# KiCad board sun3_60.kicad_pcb (continued)
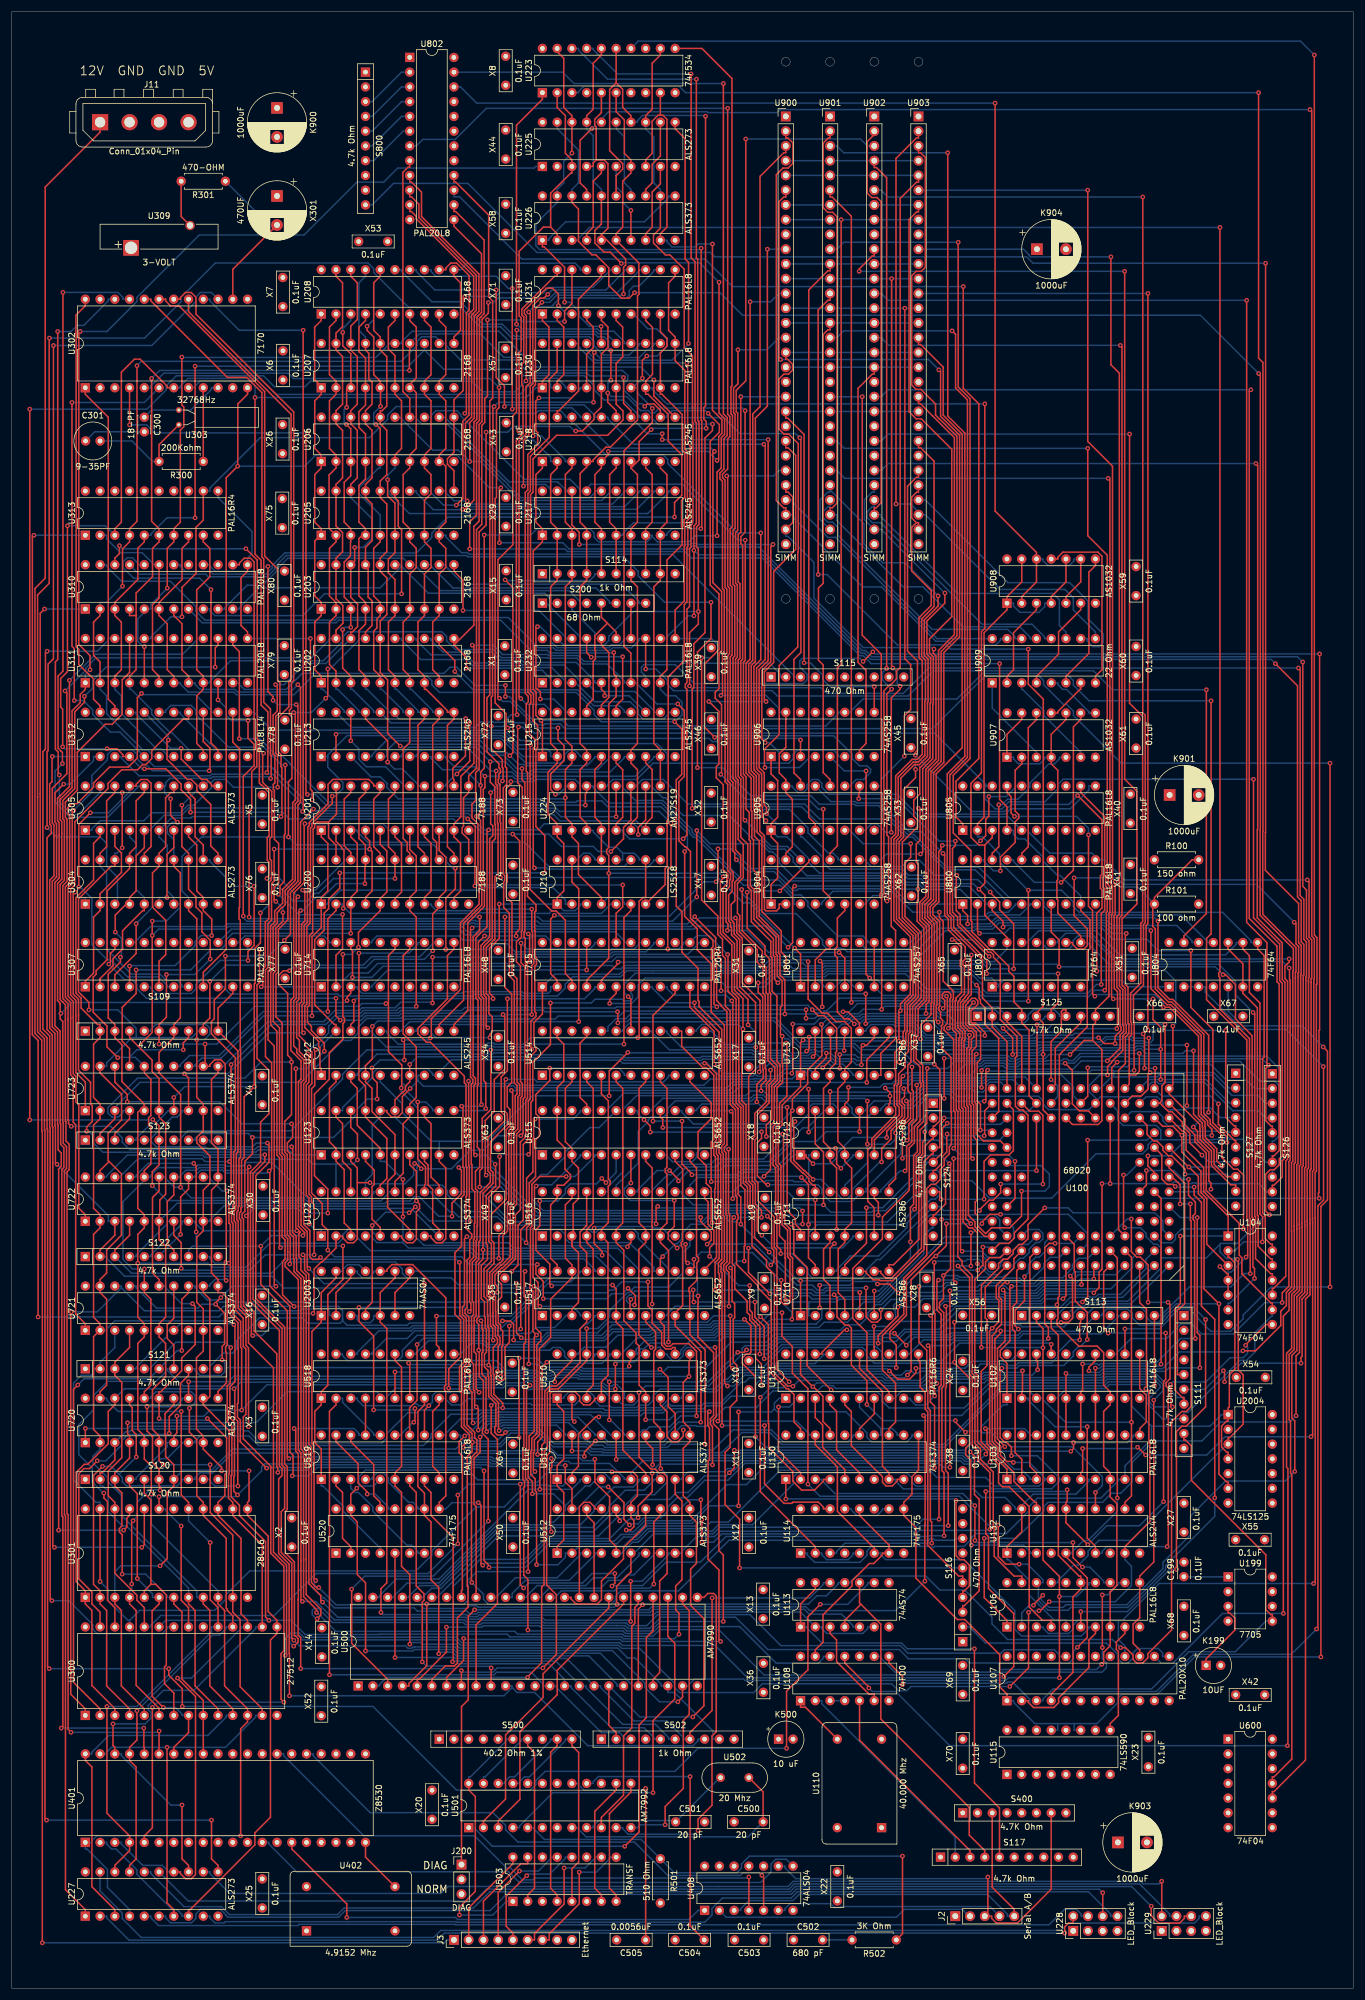
[diagram p0: board, top side]
## Nets (continued)
/sun3_60_mmu_diag/SA21: U200.16 U202.5 U203.5 U205.5 U206.5 U207.5 U208.5 U213.14
/sun3_60_mmu_diag/SA22: U200.15 U202.6 U203.6 U205.6 U206.6 U207.6 U208.6 U213.13
/sun3_60_mmu_diag/SA23: U200.14 U202.7 U203.7 U205.7 U206.7 U207.7 U208.7 U213.12
/sun3_60_mmu_diag/SA24: U200.13 U202.8 U203.8 U205.8 U206.8 U207.8 U208.8 U213.11
/sun3_60_mmu_diag/TYPE0X: S200.3 U215.16 U232.16
/sun3_60_mmu_diag/TYPE1X: S200.1 U215.15 U232.17
/sun3_60_mmu_diag/WE.PMAP0-: U202.11 U231.13 U232.2
/sun3_60_mmu_diag/WE.PMAP2-: U205.11 U206.11 U231.15
/sun3_60_mmu_diag/WE.PMAP3-: U207.11 U208.11 U231.17
/sun3_60_mmu_diag/WE.SMAP-: U200.12 U201.12 U231.18
/sun3_60_mmu_diag/WE.STAT-: U203.11 U232.18
/sun3_60_mmu_diag/WR.CX-: U210.9 U230.19
/sun3_60_mmu_diag/WR.DIAG-: U227.11 U230.13
/sun3_60_mmu_diag/WR.SYSEN-: U225.11 U230.17
/TEST0-: S116.2 U107.13
/TEST1-: S116.3 U102.11 U103.11
/TEST2-: S116.4 U130.1
/TEST3-: S116.5 U131.11
/TEST4-: S116.6 U310.13 U311.13 U313.11 U715.14
/TEST6-: S116.8 U714.11
/V.INT-: U307.10 U805.12
/WDOG-: U107.14 U223.3
/WRITE-: U104.6 U122.1 U230.7 U231.7 U232.7 U311.9 U312.9 U313.9 U710.3 U711.3 U712.3 U713.3 U800.7
/XACK-: U130.15 U131.7 U518.7 U715.7
Net-(C300-Pad2): C300.2 C301.1
Net-(C301-Pad2): C301.2 R300.2 U303.1
Net-(C502-Pad2): C502.2 R502.2
Net-(J2-Pin_2): J2.2 U408.2
Net-(J2-Pin_3): J2.3 S400.7 U408.9
Net-(J2-Pin_4): J2.4 U408.6
Net-(J2-Pin_5): J2.5 S400.3 U408.3
Net-(U108-Pad3): U108.3 U108.4
Net-(U110-OUT): U108.1 U110.8
Net-(U199-CT): K199.1 U199.3
Net-(U199-REF): C199.1 U199.1
Net-(U225-Q1): U225.5 U226.4
Net-(U225-Q2): U225.6 U226.7
Net-(U225-Q4): U225.12 U226.13
Net-(U225-Q5): U225.15 U226.14
Net-(U302-OIN): C300.1 U302.10 U303.2
Net-(U302-OOUT): R300.1 U302.9
Net-(U302-VBAK): R301.1 U302.14 X301.2
Net-(U309--): R301.2 U309.2
Net-(U401-PCLK): U401.20 U402.8
Net-(U401-RXDA): U401.13 U408.8
Net-(U401-RXDB): U401.27 U408.4
Net-(U401-TXDA): U401.15 U408.1
Net-(U401-TXDB): U401.25 U408.5
Net-(U501-PF): C505.1 U501.17
Net-(U501-RF): C504.1 U501.16
Net-(U501-TSEL): R501.1 R502.1 U501.5
Net-(U501-X1): C500.2 U501.8 U502.2
Net-(U501-X2): C501.1 U501.9 U502.1
Net-(U803-D1): U108.11 U803.9

Pads without a net: J200 3; S111 2 3 4 10; S113 7 9; S114 10; S115 4 5 6 7 8 9 10; S116 7 9 10; S117 6 7 8 9 10; S120 10; S121 10; S122 10; S123 10; S124 10; S125 10; S126 10; S127 10; S400 1 2 5 6; S500 2 3 4 5 8; S502 4; S800 8 9; U100 14 29 42 54 65 77 78 81 120 141 169; U102 15 16; U103 12 13 19; U106 16; U107 17 18 19 21 22 23; U110 1; U113 8; U114 11 15; U115 1 2 3 4 5 6 7 15; U199 6; U210 14; U225 2; U307 16 17 18 19 20; U311 19; U312 11; U313 13 14 16 17; U401 6 10 11 14 16 17 23 24 26 29 30; U402 1; U408 10 11 12 13; U500 12 13; U503 3 6 11 14; U518 16; U520 3 6 11 14; U600 1 2 3 4 5 6 8 9 12 13; U714 16; U715 15 22; U805 13 14 15 19; U900 19; U901 19; U902 19; U903 19; U906 12; U2004 8 9 10 11 12 13

## Via types
v1: diameter 0.8, hole 0.4, Top to Bottom, 1292 vias

## Routing (per net, layer and track width the routed paths; a pad name or vN(x,y) marks a point on that pad's centre or on a via; arc(x,y) is an arc through that point)
+12V: length 389.8
  Top w0.25: v1(5.29,7.85) 5.29,147.54 5.2,147.63 5.2,163.25 4.02,164.43 4.02,241.04 5.79,242.81 5.79,310.15 15.24,319.6 J11.1
  Bottom w0.25: J3.1 75.02,8.35 74.52,7.85 v1(5.29,7.85)
/AS: length 235.8
  Top w0.25: U104.2 209.56,125.87 209.78,125.87 210.72,124.93 210.72,106.64 209.77,105.68 209.77,100.13 209.56,99.92 U2004.1 209.56,97.67 209.28,97.67 208.43,96.82 208.43,93.2 209.33,92.3 209.56,92.3 U2004.4 ; U804.9 212.1,178.95 213.23,177.82 213.23,171.47 215.04,169.66 215.04,133.35 215.5,132.89 215.5,128.57 v1(215.46,128.53)
  Bottom w0.25: 196.38,96.8 196.38,94.55 191.78,89.96 U103.9 190.66,87.64 190.66,87.43 187.63,84.41 176.72,84.41 175.28,82.96 175.28,82.24 171.35,78.31 166.08,78.31 165.16,77.39 165.16,77.18 164.07,76.1 158.98,76.1 158.81,75.93 158.2,75.93 158.03,76.1 148.13,76.1 147.35,75.32 147.35,74.57 146.14,73.36 138.33,73.36 137.03,74.66 137.03,74.94 U114.1 ; 196.38,96.8 206.44,96.8 208.43,98.8 U2004.1 ; 196.38,96.8 192.91,100.27 192.91,101.6 U102.9 ; 174,180.08 175.13,180.08 175.13,180.3 176.94,182.11 186.73,182.11 190.89,177.95 209.13,177.95 210.97,179.79 210.97,180.08 U804.9 ; U104.2 210.69,127 212.22,128.53 v1(215.46,128.53)
/AS-: length 147.4
  Top w0.25: U100.131 201.64,147.62 201.89,147.62 202.31,147.2 202.31,144.35 205.34,141.32 205.34,138.64 205.34,138.64 205.34,137.2 209.56,132.98 U104.1 ; S111.7 201.94,101.73 201.67,101.73 200.37,103.03 200.37,116.97 201.33,117.93 v1(201.33,129.54) ; U131.19 135.91,108.09 135.91,108.09 135.91,105.7 v1(138.01,103.59) 138.11,103.59 139.77,101.93 139.77,97.6 140.99,96.39 U130.17
  Bottom w0.25: v1(138.01,103.59) 138.65,104.23 149.64,104.23 150.1,103.77 152.26,103.77 152.28,103.79 157.16,103.79 158.28,104.9 167.57,104.9 167.84,105.16 187.74,105.16 188.36,105.78 197.18,105.78 198.89,104.07 198.89,103.7 200.86,101.73 201.94,101.73 S111.7 ; U104.1 v1(201.33,129.54)
/BERR-: length 255.1
  Top w0.25: v1(169.97,79.78) 169.97,74.34 171.26,73.04 v1(173.57,73.04) ; v1(207.26,84.47) 207.26,115.2 204.97,117.49 204.97,135.34 203.71,136.6 v1(203.71,137.96) ; v1(200.46,138.08) 200.11,138.43 199.07,138.43 198.13,139.37 198.13,143.51 U100.106 ; v1(137.18,86.82) 137.18,103.27 134.49,105.95 134.49,110.52 132.7,112.3 v1(132.7,116.34)
  Bottom w0.25: 177.11,69.86 176.88,69.64 176.88,66.77 178.55,65.1 181.95,65.1 182.44,65.6 192.29,65.6 198.79,72.09 198.79,72.81 207.26,81.28 v1(207.26,84.47) ; 177.11,69.86 U106.18 ; 177.11,69.86 177.67,69.86 177.67,70.35 174.98,73.04 v1(173.57,73.04) ; v1(169.97,79.78) 168.25,79.78 163.3,84.73 139.26,84.73 v1(137.18,86.82) ; v1(200.46,138.08) 200.58,137.96 v1(203.71,137.96) ; v1(132.7,116.34) 130.74,116.34 128.42,114.01 121.27,114.01 120.62,113.36 110.24,113.36 109.94,113.06 103.65,113.06 102.12,111.53 92.79,111.53 91.67,110.41 81.82,110.41 81.19,111.05 79.15,111.05 77.33,109.22 U518.11
/C.S3: length 224.8
  Top w0.25: v1(125.76,189.21) 125.88,189.1 125.88,182.06 129.32,178.62 129.32,176.45 129.96,175.82 129.96,171.45 130.28,171.13 130.28,159.76 131.46,158.58 131.46,156.58 130.48,155.6 130.48,152.46 128.46,150.44 128.46,147.19 128.47,147.19 128.47,146.51 128.02,146.06 128.02,139.24 128.57,138.69 128.57,135.63 131.38,132.83 131.38,127.65 131.77,127.26 131.77,125.11 131.84,125.04 131.84,106.55 v1(133.94,104.44) ; U114.2 138.44,76.07 128.97,85.54 v1(128.97,101.77)
  Bottom w0.25: v1(128.97,101.77) 129.01,101.77 130.64,103.4 132.9,103.4 v1(133.94,104.44) ; U804.12 203.35,180.08 203.35,180.36 200.7,183.01 189.52,183.01 188.61,183.92 169.8,183.92 168.71,182.83 165.81,182.83 165.54,182.55 159.79,182.55 155.73,178.49 143.92,178.49 143.47,178.94 143,178.94 142.84,179.1 141.97,179.1 141.81,178.94 140.52,178.94 139.72,179.75 139.72,180.47 135.12,185.06 129.62,185.06 126.88,187.81 126.54,187.81 125.76,188.58 v1(125.76,189.21) ; U114.5 144.94,74.94 144.94,74.66 144.09,73.81 140.42,73.81 139.57,74.66 139.57,74.94 U114.2
/C.S3-: length 500
  Top w0.25: U906.1 130.82,209.11 131.96,207.98 131.96,201.66 130.82,200.53 U905.1 130.82,198.27 131.95,197.15 131.95,191.19 130.82,190.06 U904.1 ; v1(167.64,272.82) 167.64,234.18 167.06,233.6 167.06,209.29 165.26,207.49 165.26,198.21 166.6,196.86 167.65,196.86 ; v1(165.55,142.87) 165.27,143.15 165.27,151.94 164.99,152.22 164.99,153.35 164.99,161.62 165.33,161.97 165.33,163.41 165.74,163.82 165.74,164.42 165.32,164.85 164.86,164.85 163.9,165.81 163.9,169.48 164.29,169.87 164.29,169.99 164.74,170.44 164.74,170.56 165.32,171.13 v1(165.32,177.92) ; v1(156.3,120.85) 156.3,111.22 157.65,109.87 157.65,103.02 157.82,102.85 157.82,99.92 158.27,99.47 158.27,80.5 158.5,80.28 158.5,76.66 v1(158.5,76.66) ; 167.65,196.86 168.93,198.14 U805.3 ; 167.65,196.86 167.64,196.85 167.64,190.27 v1(166.62,189.26) 167.64,188.24 167.64,184.79 171.47,180.96 U803.13 ; U231.8 109.22,287.17 110.4,286 110.4,277.9 109.22,276.73 U230.8 109.22,274.47 109.64,274.47 113.11,271.01 113.11,266.39 115.45,264.05 115.45,257.09 114.2,255.83 v1(114.2,253.33) ; v1(162.26,142.87) 162.26,121.8 v1(162.56,121.51)
  Bottom w0.25: U310.18 29.07,245.12 29.07,244.84 29.95,243.96 34.25,243.96 34.7,243.51 43.86,243.51 44.89,244.54 44.89,244.98 47.06,247.16 69.73,247.16 72.39,249.82 72.39,250.57 75.15,253.33 v1(114.2,253.33) ; v1(162.56,121.51) 160.9,121.51 160.25,120.85 v1(156.3,120.85) ; v1(165.55,142.87) v1(162.26,142.87) ; U905.1 131.95,198.28 133.54,198.28 137.31,194.5 137.31,193.86 139.14,192.04 153.45,192.04 154.43,191.06 156.64,191.06 157.49,190.21 165.67,190.21 v1(166.62,189.26) ; v1(165.32,177.92) 167.14,177.92 168.25,176.8 169.32,176.8 171.47,178.95 U803.13 ; v1(167.64,272.82) 112.84,272.82 110.35,275.32 110.35,275.6 U230.8 ; v1(158.5,76.66) 143.55,76.66 142.11,75.22 142.11,74.94 U114.3
/C.S5: length 33.9
  Top w0.25: U114.12 146.06,81.43 151.15,76.35 U114.7 150.02,74.94 150.02,74.66 148.51,73.15 147.75,73.15 144.8,70.19 144.8,69.33 139.78,64.31 139.78,59.62 138.44,58.29 U108.13
/CAS-: length 282.1
  Top w0.25: U715.6 104.14,171.33 103.02,170.21 v1(103.02,169.58) ; U804.8 214.64,178.95 215.77,177.82 215.77,160.36 215.77,160.35 215.5,160.07 215.5,133.53 215.95,133.08 215.95,129.08 216.9,128.13 217.18,128.13 U104.13 ; U908.10 181.62,242.16 179.09,239.62 U908.4 ; v1(175.15,189.09) v1(175.15,169.98) ; U908.13 174,242.16 171.47,239.62 U908.1 171.47,237.37 167.51,233.42 167.51,201.65 166.38,200.53 U805.2
  Bottom w0.25: v1(175.15,169.98) 167.87,169.98 166.28,171.57 157.11,171.57 153.99,174.69 140.64,174.69 140.14,174.18 131.41,174.18 129.64,172.42 123.17,172.42 121.62,173.96 109.12,173.96 107.95,172.8 107.95,170.74 106.79,169.58 v1(103.02,169.58) ; U805.2 166.38,198.27 166.56,198.27 166.6,198.32 167.21,198.32 170.19,195.33 170.19,193.98 175.09,189.09 v1(175.15,189.09) 180.86,189.09 182.9,187.06 182.9,186.31 183.92,185.28 208.59,185.28 213.51,180.36 213.51,180.08 U804.8 ; U908.4 177.96,238.5 177.96,237.9 176.99,236.93 173.69,236.93 172.59,238.02 172.59,238.5 U908.1
/CDIS-: length 39.4
  Top w0.25: U100.92 199.41,141.28 202.07,138.61 202.07,117.91 201.14,116.97 201.01,116.97 200.82,116.78 200.82,105.69 S111.5
/CLK: length 312.5
  Top w0.25: U2003.8 68.58,122.34 66.04,119.8 U2003.6 ; v1(88.93,61.7) 88.93,70.43 88.22,71.15 88.22,86.26 88.36,86.4 88.36,87.34 88.08,87.62 88.08,92.99 88.24,93.16 88.24,110.92 88.54,111.22 88.54,118.9 88.29,119.15 88.29,123.29 v1(88.47,123.47) ; v1(86.16,123.47) 87.24,124.54 87.24,131.4 88.14,132.3 88.14,145.31 88.9,146.07 88.9,146.66 89.01,146.78 89.01,152.77 89.32,153.08 89.32,160.44 90.32,161.44 90.32,162.05 89.97,162.4 89.97,166.31 91.44,167.78 U715.1
  Bottom w0.25: v1(88.47,123.47) v1(86.16,123.47) U2003.8 ; v1(88.93,61.7) 89.09,61.55 105.32,61.55 105.77,61.09 110.31,61.09 111.52,62.3 125.41,62.3 131.71,56 138.98,56 139.86,56.88 139.86,57.16 U108.12 ; 170.05,172.74 170.91,173.6 191.22,173.6 192.37,172.46 U804.1 ; 170.05,172.74 168.81,173.97 166.76,173.97 164.91,175.82 164.29,175.82 163.61,176.5 153.67,176.5 153.67,176.5 139.9,176.5 139.47,176.07 137.52,176.07 137.51,176.06 136.79,176.06 136.28,176.57 130.93,176.57 130.04,175.68 127.96,175.68 127.96,175.68 105.76,175.68 104.71,174.63 93.61,174.63 U715.1 ; 170.05,172.74 170.05,172.46 U803.1
/CLK-: length 633.1
  Top w0.25: 156.22,95.26 156.22,89.23 155.1,88.11 155.1,85.1 153.69,83.69 U114.9 153.69,81.43 155.77,79.35 155.77,70.65 162.91,63.51 164.17,63.51 170.21,57.47 170.21,51.92 171.47,50.67 U107.1 ; v1(3.85,250.2) 3.57,249.92 3.57,164.2 4.56,163.2 v1(4.56,115.61) ; v1(80.39,83.63) 80.86,83.16 80.86,73.16 v1(81.17,72.86) ; v1(225.94,162.09) 226.67,161.37 226.67,135.76 225.54,134.64 v1(225.54,57.07) ; U2003.2 55.88,119.8 58.42,122.34 U2003.12 ; U520.9 73.66,83.69 74.79,84.81 74.79,102.82 74.57,103.03 74.57,103.64 74.79,103.85 74.79,118.91 69.07,124.63 65.51,124.63 64.63,123.75 64.63,123.47 U2003.10 ; v1(125.23,83.08) v1(125.23,99.26)
  Bottom w0.25: U2003.12 59.55,123.47 59.55,123.18 60.39,122.34 61.53,122.34 62.37,123.18 62.37,123.47 U2003.10 ; U804.5 209.56,168.27 212.11,165.72 222.31,165.72 v1(225.94,162.09) ; 180.21,45.59 176.26,45.59 172.59,49.26 172.59,49.54 U107.1 ; 180.21,45.59 180.21,44.46 U115.13 ; 180.21,45.59 183.04,45.59 ; U313.1 v1(3.85,250.2) ; v1(81.17,72.86) 81.53,73.22 88.38,73.22 92.16,77 103.82,77 104.99,78.17 107.36,78.17 109.26,80.07 117.2,80.07 120.21,83.08 v1(125.23,83.08) ; U115.11 183.04,44.46 183.04,45.59 ; U520.9 74.79,82.56 75.85,83.63 v1(80.39,83.63) ; 183.04,45.59 186.95,45.59 190.52,49.15 190.52,49.88 191.3,50.67 197.4,50.67 203.8,57.07 v1(225.54,57.07) ; 131.39,99.76 131.39,100.75 132.24,101.6 U131.1 ; 131.39,99.76 130.89,99.26 v1(125.23,99.26) ; 131.39,99.76 131.86,99.29 143.7,99.29 147.34,95.66 147.34,94.93 148.17,94.1 154.22,94.1 155.1,94.98 155.1,95.26 156.22,95.26 ; v1(4.56,115.61) 35.73,115.61 36.79,116.68 48.37,116.68 48.38,116.68 49.82,116.68 50.11,116.97 54.33,116.97 54.75,116.55 54.75,115.84 U2003.2
/CX0: length 104.6
  Top w0.25: U201.1 53.34,198.27 54.47,197.15 54.47,188.95 53.34,187.83 U200.1 53.34,182.66 51.75,181.07 v1(51.75,167.45)
  Bottom w0.25: U723.13 31.61,158.76 31.61,159.04 32.73,160.17 36.1,160.17 43.38,167.45 v1(51.75,167.45) ; U210.2 95.39,186.7 95.39,187.4 93.26,189.53 80.8,189.53 80.36,189.09 56.67,189.09 54.47,186.89 54.47,186.7 U200.1
/CX1: length 114.3
  Top w0.25: U200.2 55.88,185.57 54.47,184.17 v1(54.47,168.2) ; v1(57.13,185.96) 57.26,186.09 57.26,195.93 56.84,196.34 56.84,196.54 55.88,197.5 U201.2
  Bottom w0.25: U210.5 103.01,186.7 103.01,186.49 101.61,185.09 94.22,185.09 93.8,185.5 93.01,185.5 92.6,185.09 85.37,185.09 85.27,185.19 80.32,185.19 80.22,185.09 58.34,185.09 57.3,186.13 ; v1(54.47,168.2) 43.36,168.2 35.78,160.62 30.65,160.62 29.07,159.04 29.07,158.76 U723.14 ; U200.2 57.01,186.7 57.01,186.42 57.3,186.13 ; 57.3,186.13 v1(57.13,185.96)
/CX2: length 128.3
  Top w0.25: v1(58.42,181.66) U200.3 58.42,187.83 59.55,188.95 59.55,197.15 58.42,198.27 U201.3 ; U723.17 20.32,161.81 19.05,163.08 19.05,168.91 21.45,171.31 v1(21.45,175.36)
  Bottom w0.25: v1(58.42,181.66) 38.06,181.66 36.83,180.42 36.83,179.67 36.05,178.89 34.37,178.89 30.84,175.36 v1(21.45,175.36) ; U210.11 105.54,193.18 92.53,193.18 88.36,197.34 61.34,197.34 59.55,199.14 59.55,199.4 U201.3
/DDIS-: length 41
  Bottom w0.25: S113.8 190.66,115.84 190.66,115.66 187.69,112.69 174.26,112.69 173.56,112 162.33,112 161.99,111.67 161.01,111.67 161.01,111.66 157.07,111.66 154.62,109.22 U131.12
/DIAG-: length 522.8
  Top w0.25: v1(79.76,65.18) 78.67,64.09 78.67,49.68 77.5,48.52 J200.1 ; v1(213.38,123.08) 213.38,132.46 213.24,132.6 213.24,147.13 213.24,147.13 213.24,163.53 208.15,168.63 208.15,174.05 207.95,174.25 207.95,174.85 208.15,175.04 v1(208.15,303.2) ; S113.10 v1(196.87,103.78) ; v1(157.33,70.12) 157.3,70.15 157.3,79.84 157.37,79.9 157.37,98.37 v1(157.09,98.65)
  Bottom w0.25: v1(157.33,70.12) 152.25,65.05 137.46,65.05 136.81,65.71 110.29,65.71 109.76,65.18 v1(79.76,65.18) ; S113.10 197.99,115.84 197.99,115.87 202.91,120.79 210.03,120.79 212.31,123.08 v1(213.38,123.08) ; v1(208.15,303.2) 99.56,303.2 97.65,301.28 97.65,301 U226.3 ; v1(157.09,98.65) 163.67,98.65 168.77,103.75 188.24,103.75 188.92,104.43 196.22,104.43 v1(196.87,103.78)
/DIS.RAS-: length 140.9
  Top w0.25: v1(220.07,175.68) 220.14,175.61 220.14,173.73 220.25,173.62 220.25,142.58 220.02,142.36 220.02,120.91 218.87,119.76 v1(218.87,118.08)
  Bottom w0.25: v1(218.87,118.08) 215.88,118.08 210.47,112.68 204.99,112.68 203.24,114.43 201.48,114.43 198.94,111.9 192.84,111.9 190.37,109.42 190.37,109.22 U102.13 ; v1(220.07,175.68) 218.95,176.8 190.17,176.8 185.77,181.2 183.65,181.2 182.9,180.45 182.9,179.7 182.13,178.93 178.53,178.93 177.67,179.79 177.67,180.08 U803.11
/DISACC-: length 254.5
  Top w0.25: v1(205.81,223.59) 205.81,185.08 201.94,181.2 U804.13 ; U232.13 v1(109.22,227.16)
  Bottom w0.25: U232.13 108.09,232.42 108.09,232.14 106.8,230.84 103.53,230.84 103.08,230.39 93.77,230.39 93.32,230.84 90.74,230.84 85.55,236.03 56.15,236.03 55.7,235.58 33.3,235.58 31.75,237.13 31.75,237.88 27.36,242.27 18.93,242.27 16.37,244.84 16.37,245.12 U310.23 ; v1(109.22,227.16) 110.99,227.16 112.95,225.21 112.95,224.52 114.02,223.45 130.99,223.45 131.92,222.52 154.43,222.52 158.76,226.86 186.37,226.86 189.63,223.59 v1(205.81,223.59)
/DMA: length 283.3
  Top w0.25: v1(19.92,152.65) 19.92,153.92 17.78,156.06 U723.18 ; v1(52.52,64.7) 52.52,65.22 50.3,67.44 50.3,73.76 50.29,73.77 50.29,91.97 50.29,91.97 50.29,92.43 49.84,92.88 49.84,122.22 48.65,123.41 48.65,125.54 48.57,125.62 48.57,129.34 47.95,129.96 47.95,143.75 47.5,144.2 47.5,145.59 48.41,146.5 48.41,148.69 v1(48.23,148.87) ; v1(187.89,58.68) v1(187.89,67.75)
  Bottom w0.25: v1(187.89,67.75) 188.83,67.75 190.66,69.58 190.66,69.86 U106.12 ; v1(48.23,148.87) 39.66,148.87 35.88,152.65 v1(19.92,152.65) ; v1(187.89,58.68) 187.89,56.76 188.59,56.06 188.59,55.22 187.83,54.45 170.64,54.45 170.15,53.97 129.62,53.97 121.81,61.77 111.63,61.77 110.5,60.64 105.58,60.64 105.25,60.98 87.17,60.98 86.68,61.47 55.85,61.47 52.61,64.7 v1(52.52,64.7)
/DS-: length 413.2
  Top w0.25: v1(79.9,143.5) 79.63,143.77 79.63,155.46 79.9,155.73 79.9,156.71 79.51,157.11 79.51,181.04 80.62,182.15 v1(80.62,184.47) ; U104.9 217.18,117.97 216.99,117.97 211.92,123.04 211.92,125.79 211.47,126.24 211.47,131.71 205.79,137.39 205.79,138.83 205.79,138.83 205.79,143.83 203.83,145.78 203.83,146.97 202.13,148.68 202.13,149.68 U100.144 ; v1(85.08,95.74) 84.63,95.3 83.67,95.3 83.24,95.72 83.24,96.68 83.42,96.85 83.42,100.67 82.17,101.91 82.17,105.31 82.07,105.42 82.07,106.39 81.45,107.01 81.45,109.2 81.79,109.54 81.79,113.48 81.58,113.69 81.58,115.53 81.45,115.67 81.45,118.22 80.91,118.77 80.91,124.45 81.97,125.52 81.97,127.98 81.75,128.21 81.75,136.52 83.37,138.14 83.37,141.83 v1(83.3,141.9) ; v1(40.91,184.47) 40.91,202.74 41.36,203.19 41.36,209.5 42.23,210.37 42.23,214.62 41.78,215.07 41.78,245.61 41.14,246.25 40.07,246.25 39.23,245.4 39.23,245.12 U310.14
  Bottom w0.25: U519.11 77.33,95.26 77.33,94.83 77.75,94.4 78.36,94.4 78.48,94.52 78.86,94.52 79.11,94.76 79.71,94.76 79.95,94.52 80.08,94.52 80.4,94.2 83.54,94.2 v1(85.08,95.74) 85.36,95.74 85.69,96.07 90.47,96.07 93.28,93.26 98.98,93.26 99.82,92.41 101.65,92.41 101.82,92.24 122.32,92.24 125.78,95.71 130.62,95.71 132.68,93.65 160.53,93.65 170.18,103.3 188.43,103.3 189.11,103.97 195.74,103.97 196.13,103.58 196.13,102.97 195.54,102.37 195.54,100.77 198.25,98.06 S111.8 201.94,99.19 202.65,99.19 211.6,108.14 212.74,108.14 214.15,109.55 214.15,112.86 217,115.71 217.18,115.71 U104.9 ; v1(79.9,143.5) 81.7,143.5 v1(83.3,141.9) ; v1(40.91,184.47) 41.19,184.19 78.62,184.19 78.9,184.47 v1(80.62,184.47)
/DSACK0-: length 625.9
  Top w0.25: U313.12 33.02,252.82 31.75,251.55 31.75,243.63 29.35,241.23 v1(29.35,236.15) ; v1(100.24,273.11) 100.24,281.52 v1(100.39,281.67) ; v1(216.68,133.19) 216,133.87 216,140.15 216.83,140.97 217.51,140.97 218.37,141.83 218.37,142.85 218.89,143.37 218.89,173.05 218.44,173.51 218.44,179.83 213.93,184.34 v1(213.93,208.18) ; v1(82.52,205.89) 82.52,200.54 82.89,200.16 82.89,198.49 82.34,197.94 82.34,181.05 80.86,179.57 80.86,170.89 81.31,170.44 81.31,156.3 81.68,155.93 v1(81.68,151.48) ; v1(84.56,207.9) 84.66,208 84.66,210.11 84.51,210.25 84.51,211.56 82.63,213.44 v1(82.63,217.33) 82.63,222.33 82.84,222.54 82.84,267.4 82.91,267.47 82.91,272.15 v1(83.13,272.36) ; v1(191.74,130.97) 191.55,131.16 v1(191.55,140.05) ; U2004.3 209.56,94.84 209.84,94.84 212.15,97.15 212.15,105.63 211.32,106.47 211.32,125.37 v1(211.17,125.52)
  Bottom w0.25: U805.18 167.82,207.02 ; 167.82,207.02 167.61,206.81 167.61,204.9 169.43,203.08 170.59,203.08 171.82,204.31 177.99,204.31 180.35,206.68 180.35,207.41 181.13,208.18 v1(213.93,208.18) ; 167.82,207.02 167.8,207.02 167.8,207.3 158.97,216.13 90.01,216.13 88.23,217.91 85.3,217.91 84.67,217.28 82.69,217.28 v1(82.63,217.33) ; v1(81.68,151.48) 81.35,151.14 U123.11 ; U106.17 180.21,69.86 180.21,70.14 182.91,72.84 183.74,72.84 185.44,74.54 185.44,75.28 187.3,77.15 192.83,77.15 209,93.32 209,93.72 U2004.3 ; v1(211.17,125.52) 211.02,125.67 209.3,125.67 208.15,126.82 208.15,128.11 ; U230.12 110.63,283.22 110.63,282.94 109.74,282.04 109.37,282.04 108.11,280.78 101.27,280.78 v1(100.39,281.67) ; 198.04,127.43 198.04,125.86 198.11,125.78 205.81,125.78 208.15,128.11 ; 198.04,127.43 198.04,124.09 192.28,118.33 187.32,118.33 187.1,118.12 185.43,118.12 185.2,117.88 184.77,117.46 183.24,117.46 S113.4 ; 198.04,127.43 197.34,128.13 196.74,128.13 195.41,129.45 195.41,130.01 194.46,130.97 v1(191.74,130.97) ; v1(191.55,140.05) 192.14,140.05 U100.94 ; 208.15,128.11 208.3,128.27 211.15,128.27 216.07,133.19 v1(216.68,133.19) ; v1(29.35,236.15) 27.44,236.15 23.99,232.7 23.99,232.42 U311.20 ; v1(84.56,207.9) 82.55,205.89 v1(82.52,205.89) ; v1(100.24,273.11) 83.87,273.11 v1(83.13,272.36) 66.24,272.36 64.77,270.89 64.77,270.14 61.63,267 42.83,267 34.15,258.32 34.15,257.82 U313.12
/DSACK1-: length 314.1
  Top w0.25: v1(183.99,111.66) 183.99,114.54 184.16,114.72 S113.5 ; U100.105 202.76,141.43 v1(202.8,141.43) 204.44,139.8 204.44,138.27 204.44,138.27 204.44,136.83 205.01,136.25 205.01,136.25 205.42,135.85 205.42,120.44 v1(207.99,117.88) 207.98,117.87 207.98,88.52 209.28,87.22 209.56,87.22 U2004.6 ; v1(172.76,201.79) 172.17,202.38 172.17,205.19 171.47,205.89 U805.17 ; v1(208.52,141.58) 207.59,142.51 207.59,144.57 205.63,146.54 205.63,148.44 205.57,148.49 205.57,149.17 204.47,150.28 204.47,163.93 199.47,168.93 v1(198.41,168.93) ; v1(185.51,198.61) 185.51,186.3 186.2,185.61 186.2,171.23 v1(186.6,170.83)
  Bottom w0.25: U519.12 74.79,95.26 74.79,95.54 77.33,98.09 79.93,98.09 80.94,99.1 83.57,99.1 83.71,99.24 84.29,99.24 84.29,99.23 101.55,99.23 101.69,99.09 108,99.09 108.45,99.54 111.97,99.54 112.98,100.55 113.36,100.55 113.58,100.32 118.86,100.32 119.31,100.77 122.1,100.77 125.73,104.4 126.36,104.4 127.08,105.11 130.82,105.11 131.94,106.24 133.23,106.24 133.24,106.24 150.24,106.24 150.91,105.57 151.52,105.57 151.53,105.59 153.27,105.59 154.02,106.34 155.01,106.34 155.48,105.87 156.08,105.87 156.46,106.26 165.69,106.26 166.95,107.52 170.88,107.52 171.15,107.24 172.95,107.24 173.41,107.7 179.16,107.7 180.21,108.75 180.21,109.46 182.41,111.66 v1(183.99,111.66) ; v1(172.76,201.79) 183.44,201.79 185.51,199.73 v1(185.51,198.61) ; S113.5 185.29,115.84 185.29,116.13 186.38,117.21 187.48,117.21 187.69,117.43 194.39,117.43 195.49,116.33 195.49,115.56 196.38,114.67 197.56,114.67 198.58,115.68 198.58,115.82 200.64,117.88 v1(207.99,117.88) ; v1(186.6,170.83) 186.89,171.12 196.9,171.12 198.41,169.61 v1(198.41,168.93) ; v1(202.8,141.43) 208.37,141.43 v1(208.52,141.58)
/DXACK-: length 132.3
  Top w0.25: v1(160.32,196.81) 160.12,196.61 160.12,196.12 159.72,195.72 159.72,187.08 158.69,186.05 158.69,184.88 159.37,184.2 159.37,184.19 159.86,183.7 159.86,169.17 159.74,169.05 159.74,168.44 160.02,168.17 160.02,167.05 160.37,166.69 160.37,165.97 160.19,165.79 160.19,161.91 161.83,160.27 161.83,150.91 161.89,150.85 161.89,145.28 161.54,144.94 161.54,143.69 160.65,142.79 160.65,141.69 159.96,141.01 159.96,139.27 159.13,138.43 158.37,138.43 157.64,137.7 157.64,126.21 153.69,122.27 153.69,116.08 150.01,112.39 150.01,106.47 152.27,104.21 152.27,97.51 151.15,96.39 U130.13 ; v1(166.9,197.59) 167.8,198.48 167.8,201.3 168.34,201.84 v1(168.34,205.21)
  Bottom w0.25: v1(160.32,196.81) 166.13,196.81 v1(166.9,197.59) ; U805.16 172.88,207.02 172.88,206.74 171.35,205.21 v1(168.34,205.21)
/E.ACK-: length 118.3
  Top w0.25: U518.9 73.66,100.47 72.53,99.35 72.53,89.89 73.66,88.77 U519.9 ; U512.1 93.98,76.07 95.11,77.19 95.11,85.39 93.98,86.51 U511.1 93.98,90.02 95.11,91.14 95.11,99.35 93.98,100.47 U510.1
  Bottom w0.25: U518.9 74.79,101.6 74.79,101.42 75.73,100.47 77.49,100.47 78.54,101.52 92.78,101.52 92.85,101.6 U510.1 95.11,101.6 95.11,101.79 96.04,102.73 99.57,102.73 100.33,101.96 100.33,101.28 101.34,100.27 103.08,100.27 103.34,100.01 107.64,100.01 108.07,100.44 109.7,100.44 110.49,101.22 110.49,101.97 111.7,103.18 121.12,103.18 122.84,104.9 123.33,104.9 124.89,106.47 129.81,106.47 130.93,107.59 138.41,107.59 139.86,109.04 139.86,109.22 U131.17
/E.CS-: length 370.2
  Top w0.25: v1(203.06,135.08) 203.06,132.23 203.19,132.1 203.19,100.19 202.34,99.34 201.58,99.34 199.82,97.57 199.82,61.71 195.74,57.63 195.74,56.93 194.84,56.03 193.8,56.03 193.2,56.64 193.2,57.36 191.89,58.66 v1(191.03,58.66) ; v1(108.7,66.06) 107.96,65.32 U500.20 ; v1(90.16,89) 89.88,89.27 89.88,92.24 90.05,92.41 90.05,94.45 90.93,95.33 90.93,110.15 92.85,112.07 92.85,118.67 96.52,122.34 U517.22 96.52,124.59 95.39,125.72 95.39,134.91 96.52,136.03 U516.22 ; U100.79 199.93,139.7 201.3,138.33 v1(201.3,135.08) ; v1(59.46,86.12) 58.42,85.08 U520.15 58.42,81.43 59.55,80.31 59.55,71.26 60.97,69.83 v1(60.97,58.1)
  Bottom w0.25: v1(60.97,58.1) 69.08,58.1 69.32,58.35 76.17,58.35 76.81,57.71 101.41,57.71 106.83,52.28 106.83,52.08 U500.20 ; v1(203.06,135.08) v1(201.3,135.08) ; v1(90.16,89) 88.72,87.55 80.3,87.55 78.61,89.24 60.95,89.24 59.83,88.12 59.83,86.5 ; U519.5 62.36,86.5 59.83,86.5 ; 59.83,86.5 59.83,86.49 v1(59.46,86.12) ; v1(108.7,66.06) 108.8,66.16 137.26,66.16 138.68,67.59 140.36,67.59 142.4,69.62 142.4,69.86 U113.11 144.65,69.86 144.65,70.14 145.51,71 157.48,71 159.89,68.59 164.19,68.59 168.87,63.9 168.87,62.77 171.58,60.06 189.63,60.06 v1(191.03,58.66)